# Altium PCB GT502W_V4_GPS_GT101.PcbDoc (part 1 of 2)
Units mil, origin at the board's own origin, x right, y up, seen from the top; angles counter-clockwise.
Board outline 1788.44 x 2361.43 mil, 4 copper layers (L1, L2, L3, L4), stack 28.912 mil thick; 156 components, 101 nets, 521 pads, 511 vias.
Unrouted connection lines stored in the file: 4.
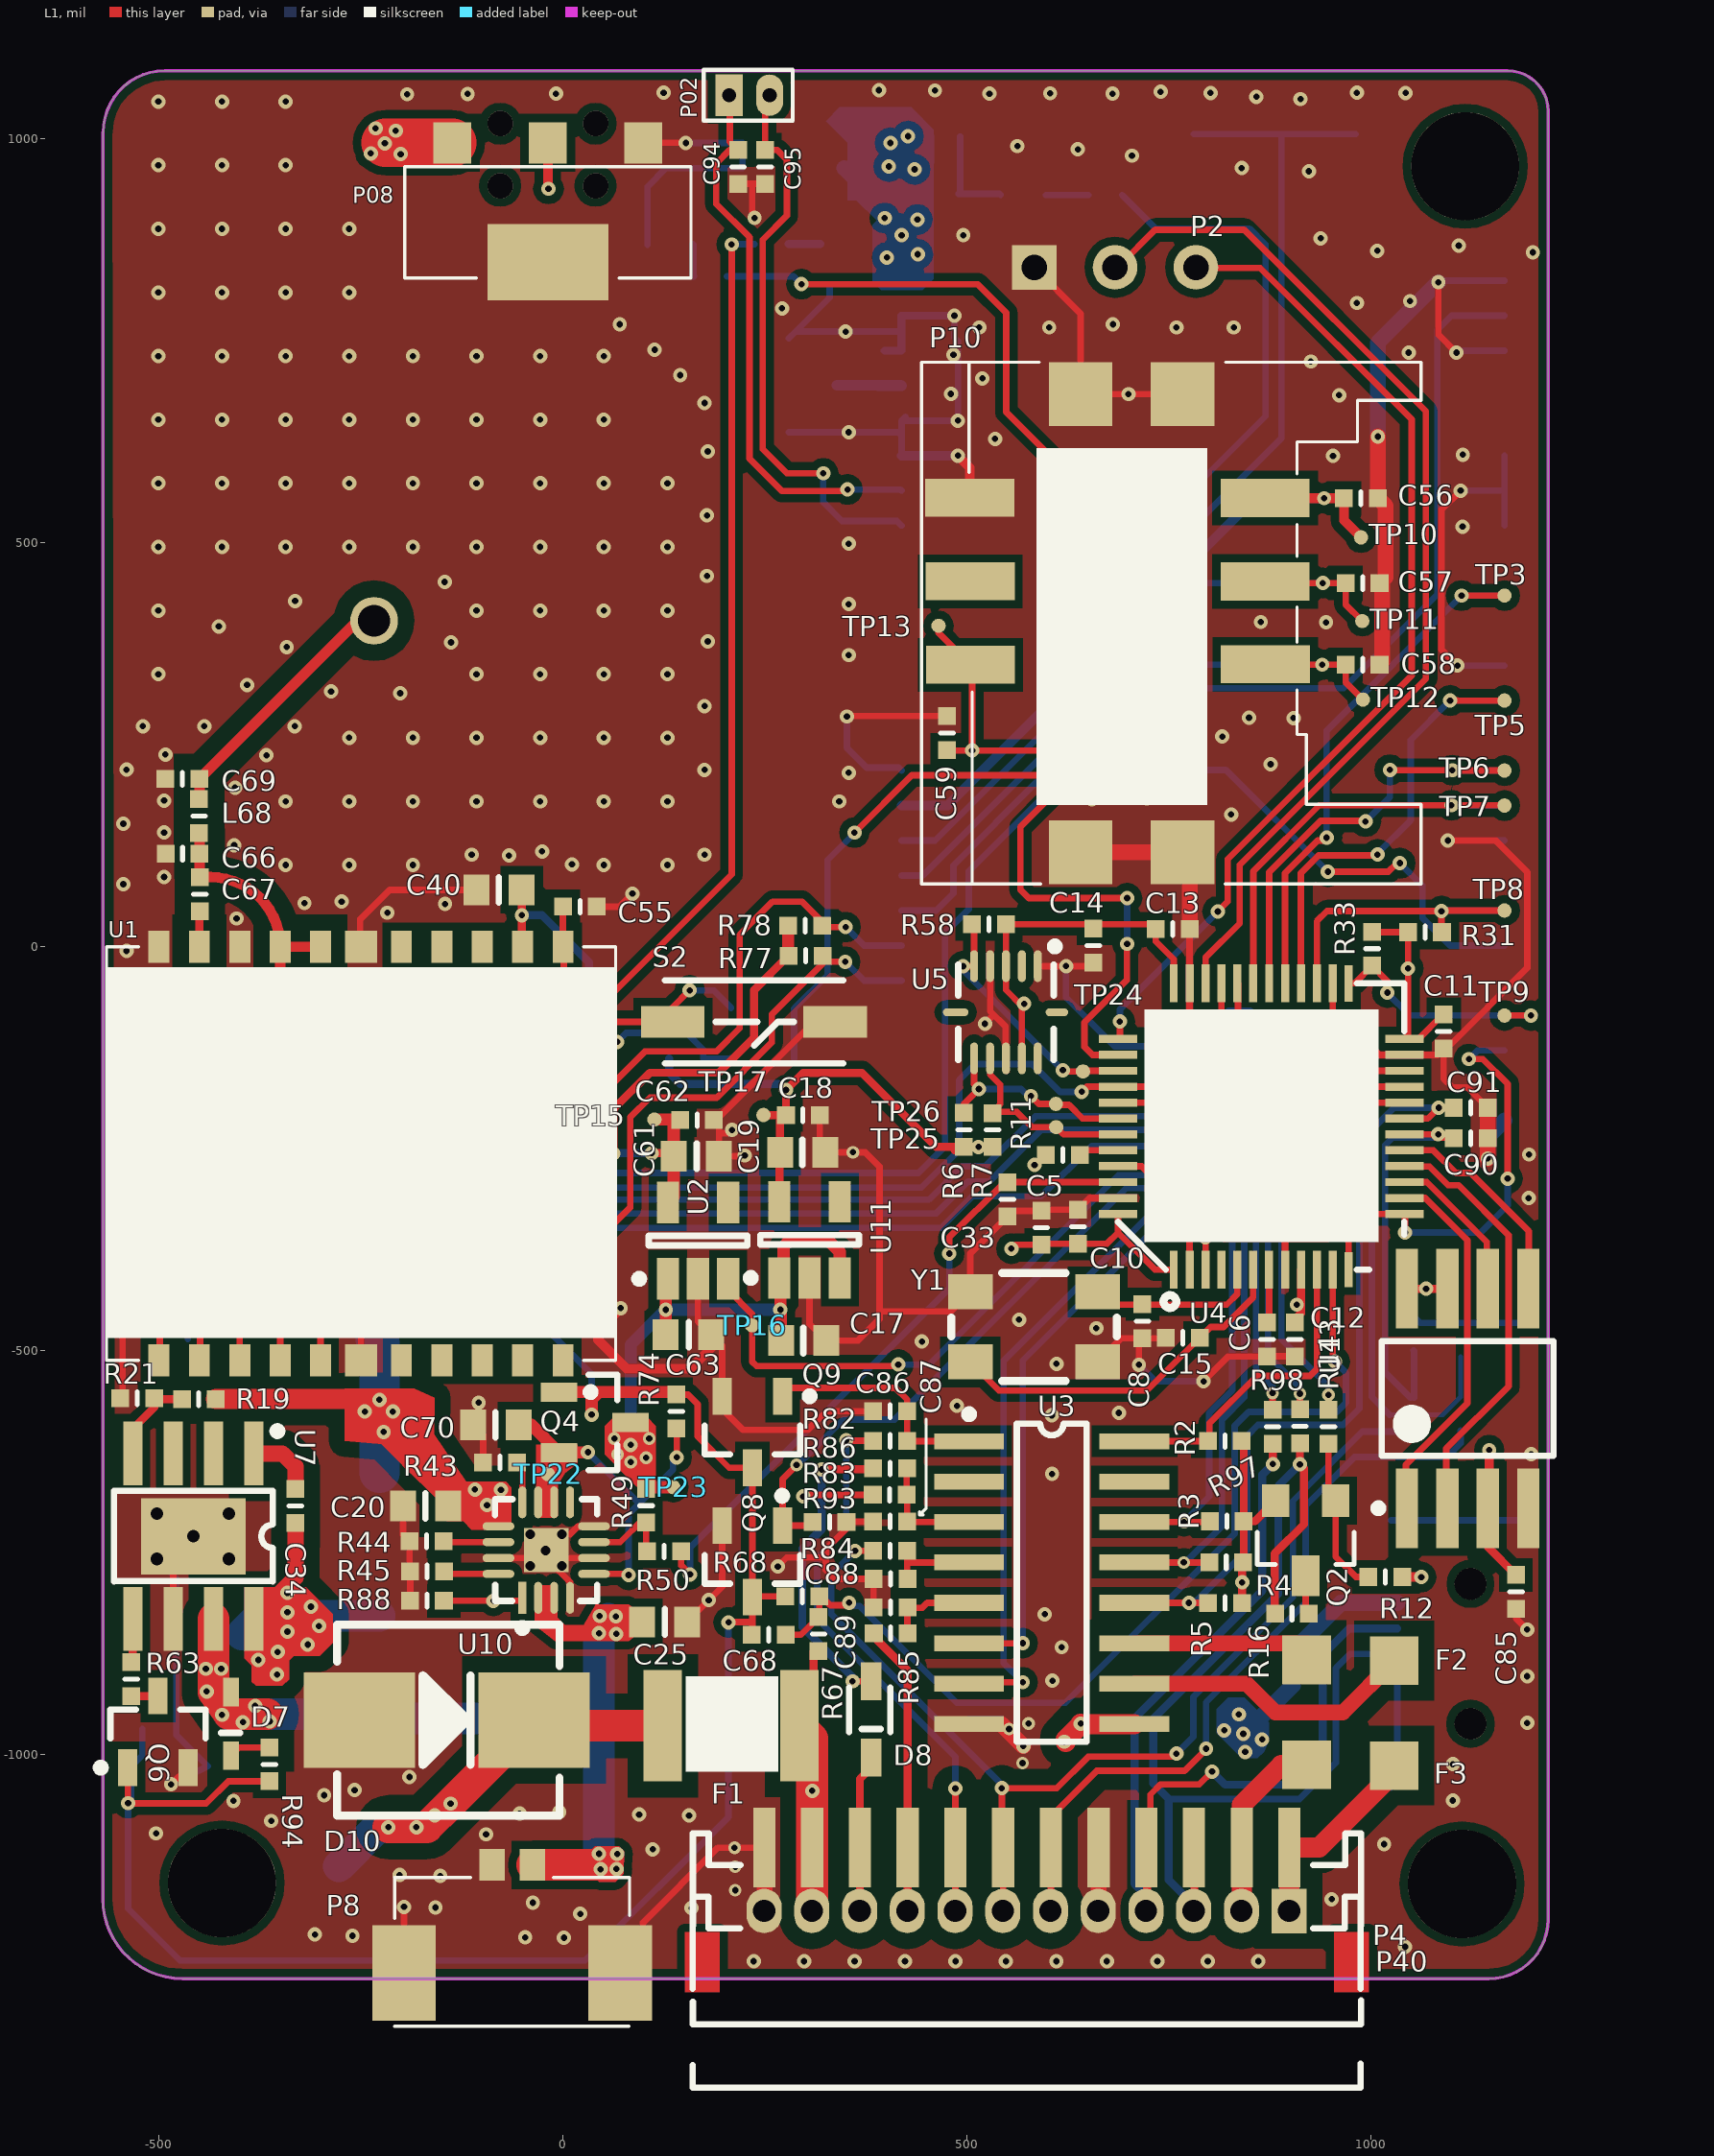
[diagram p0: L1 view]
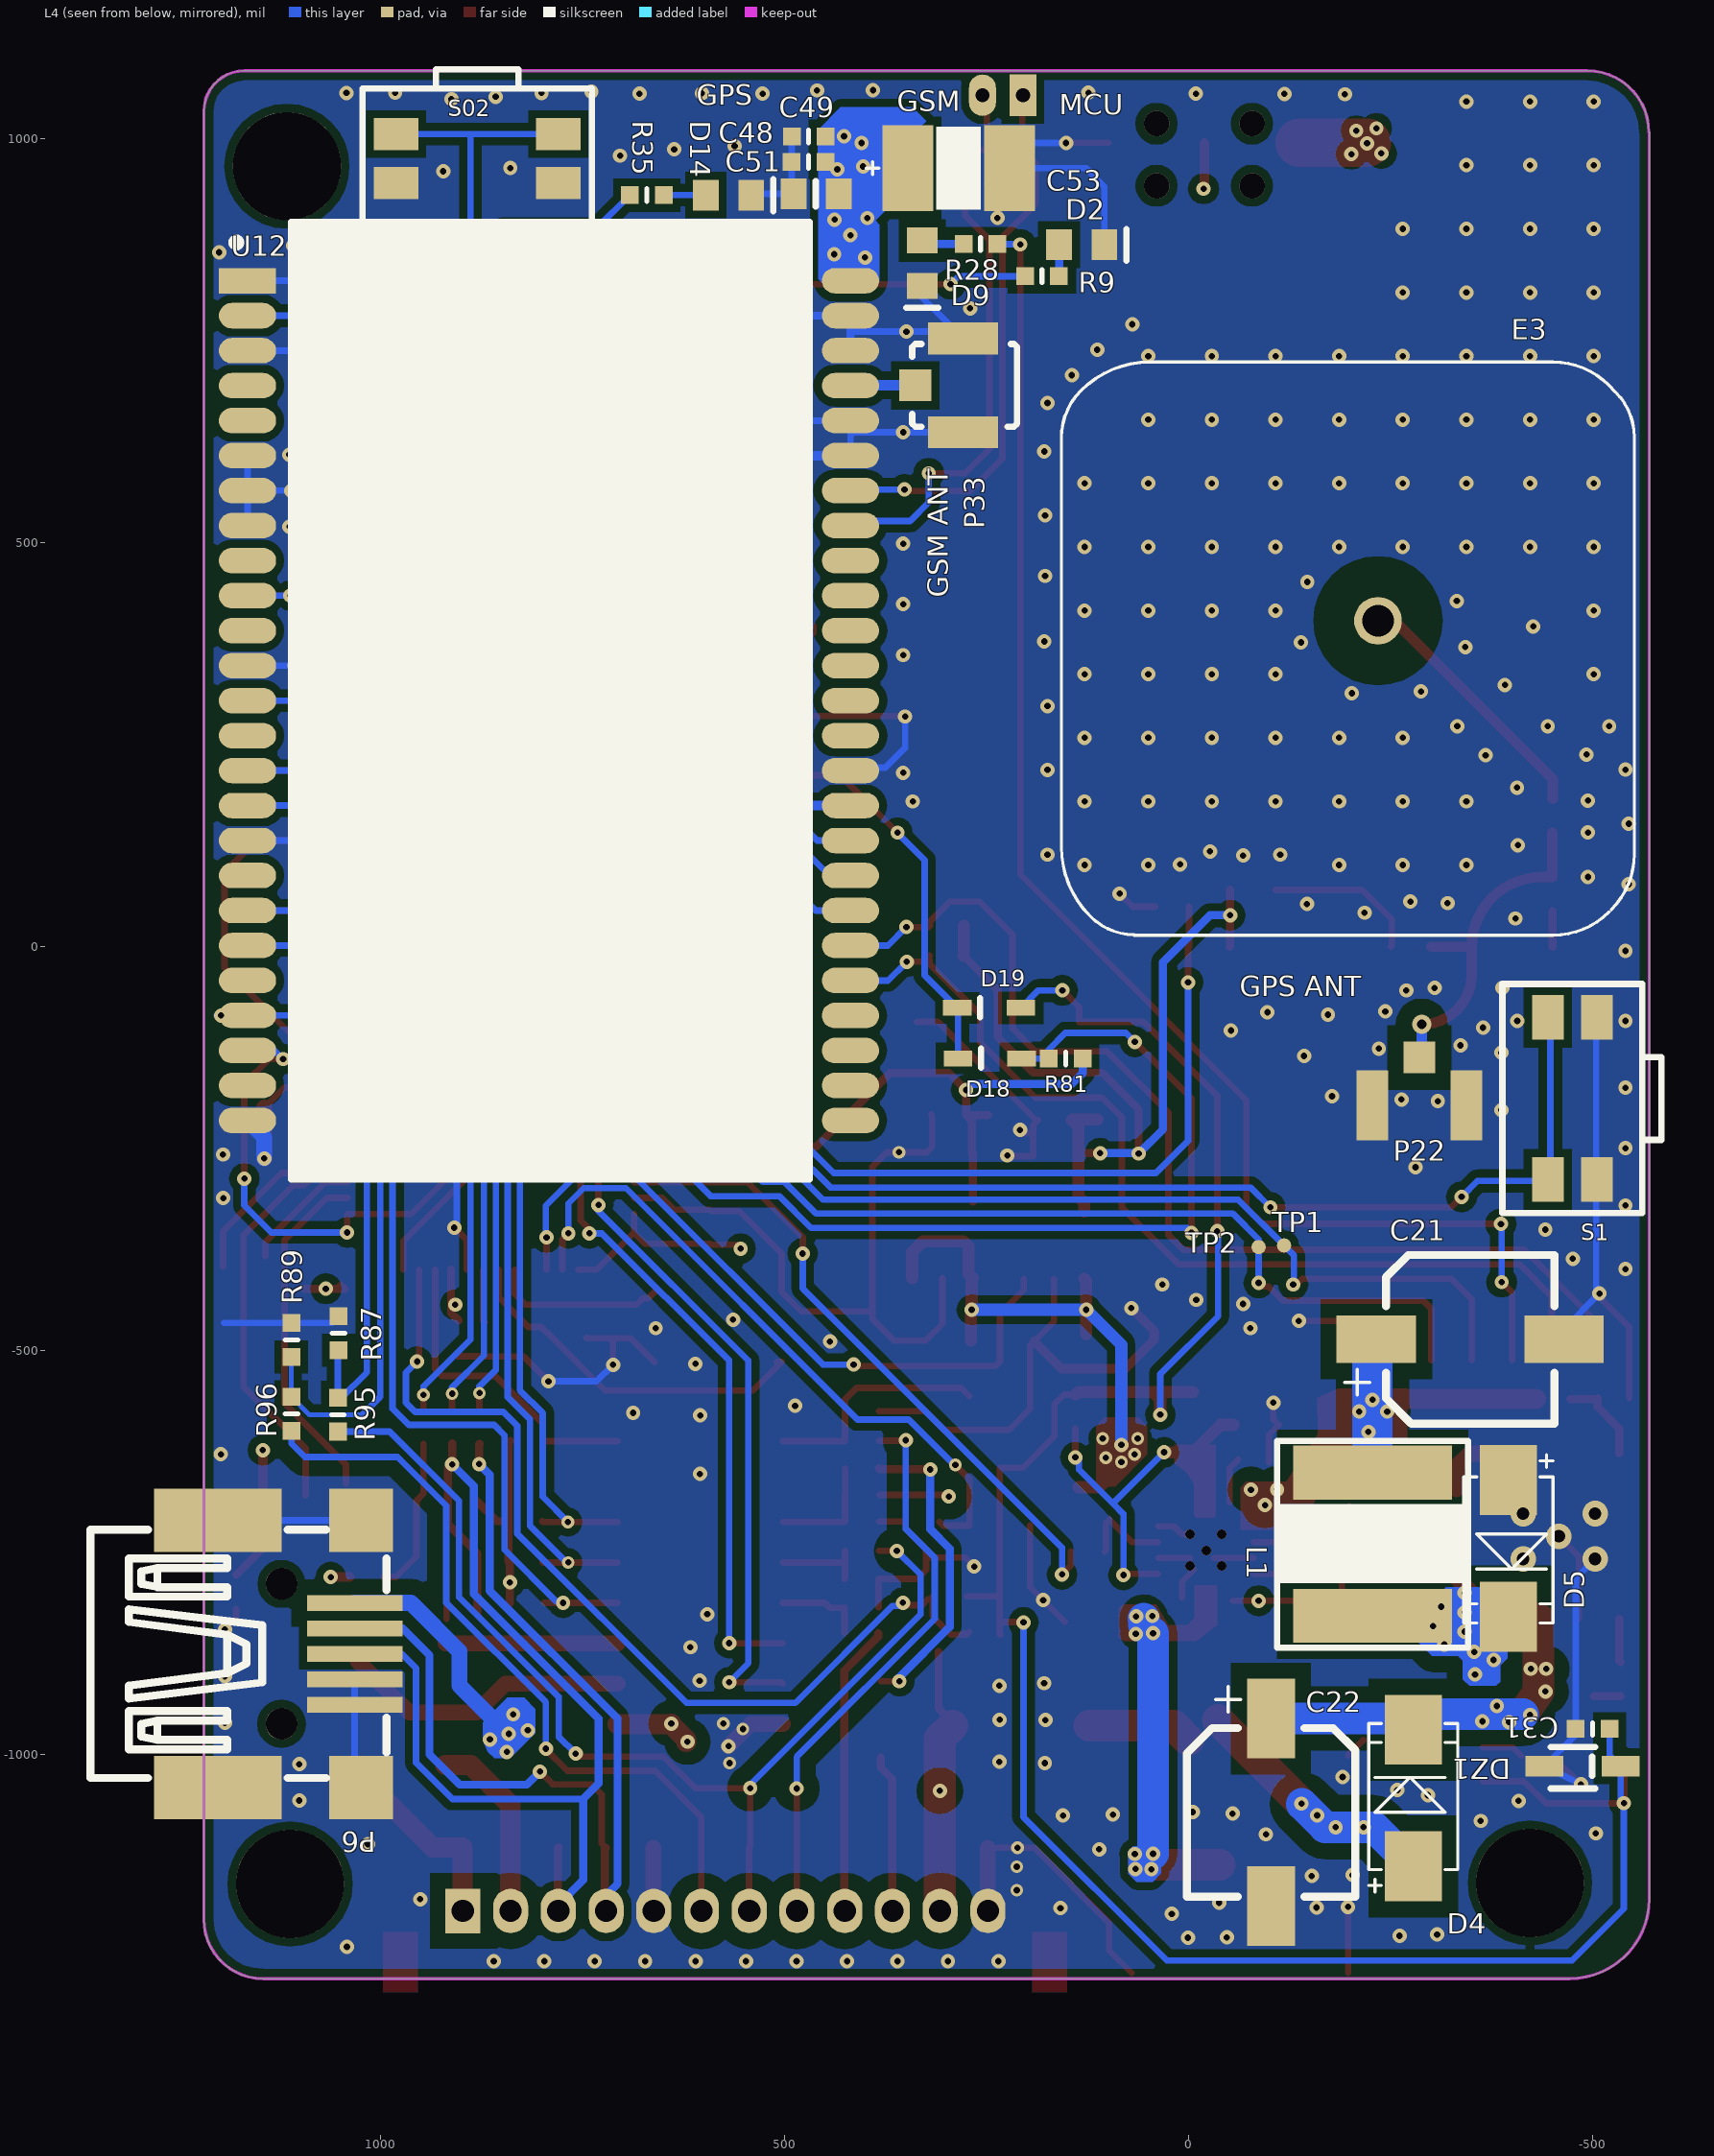
[diagram p1: L4 view, seen from below]
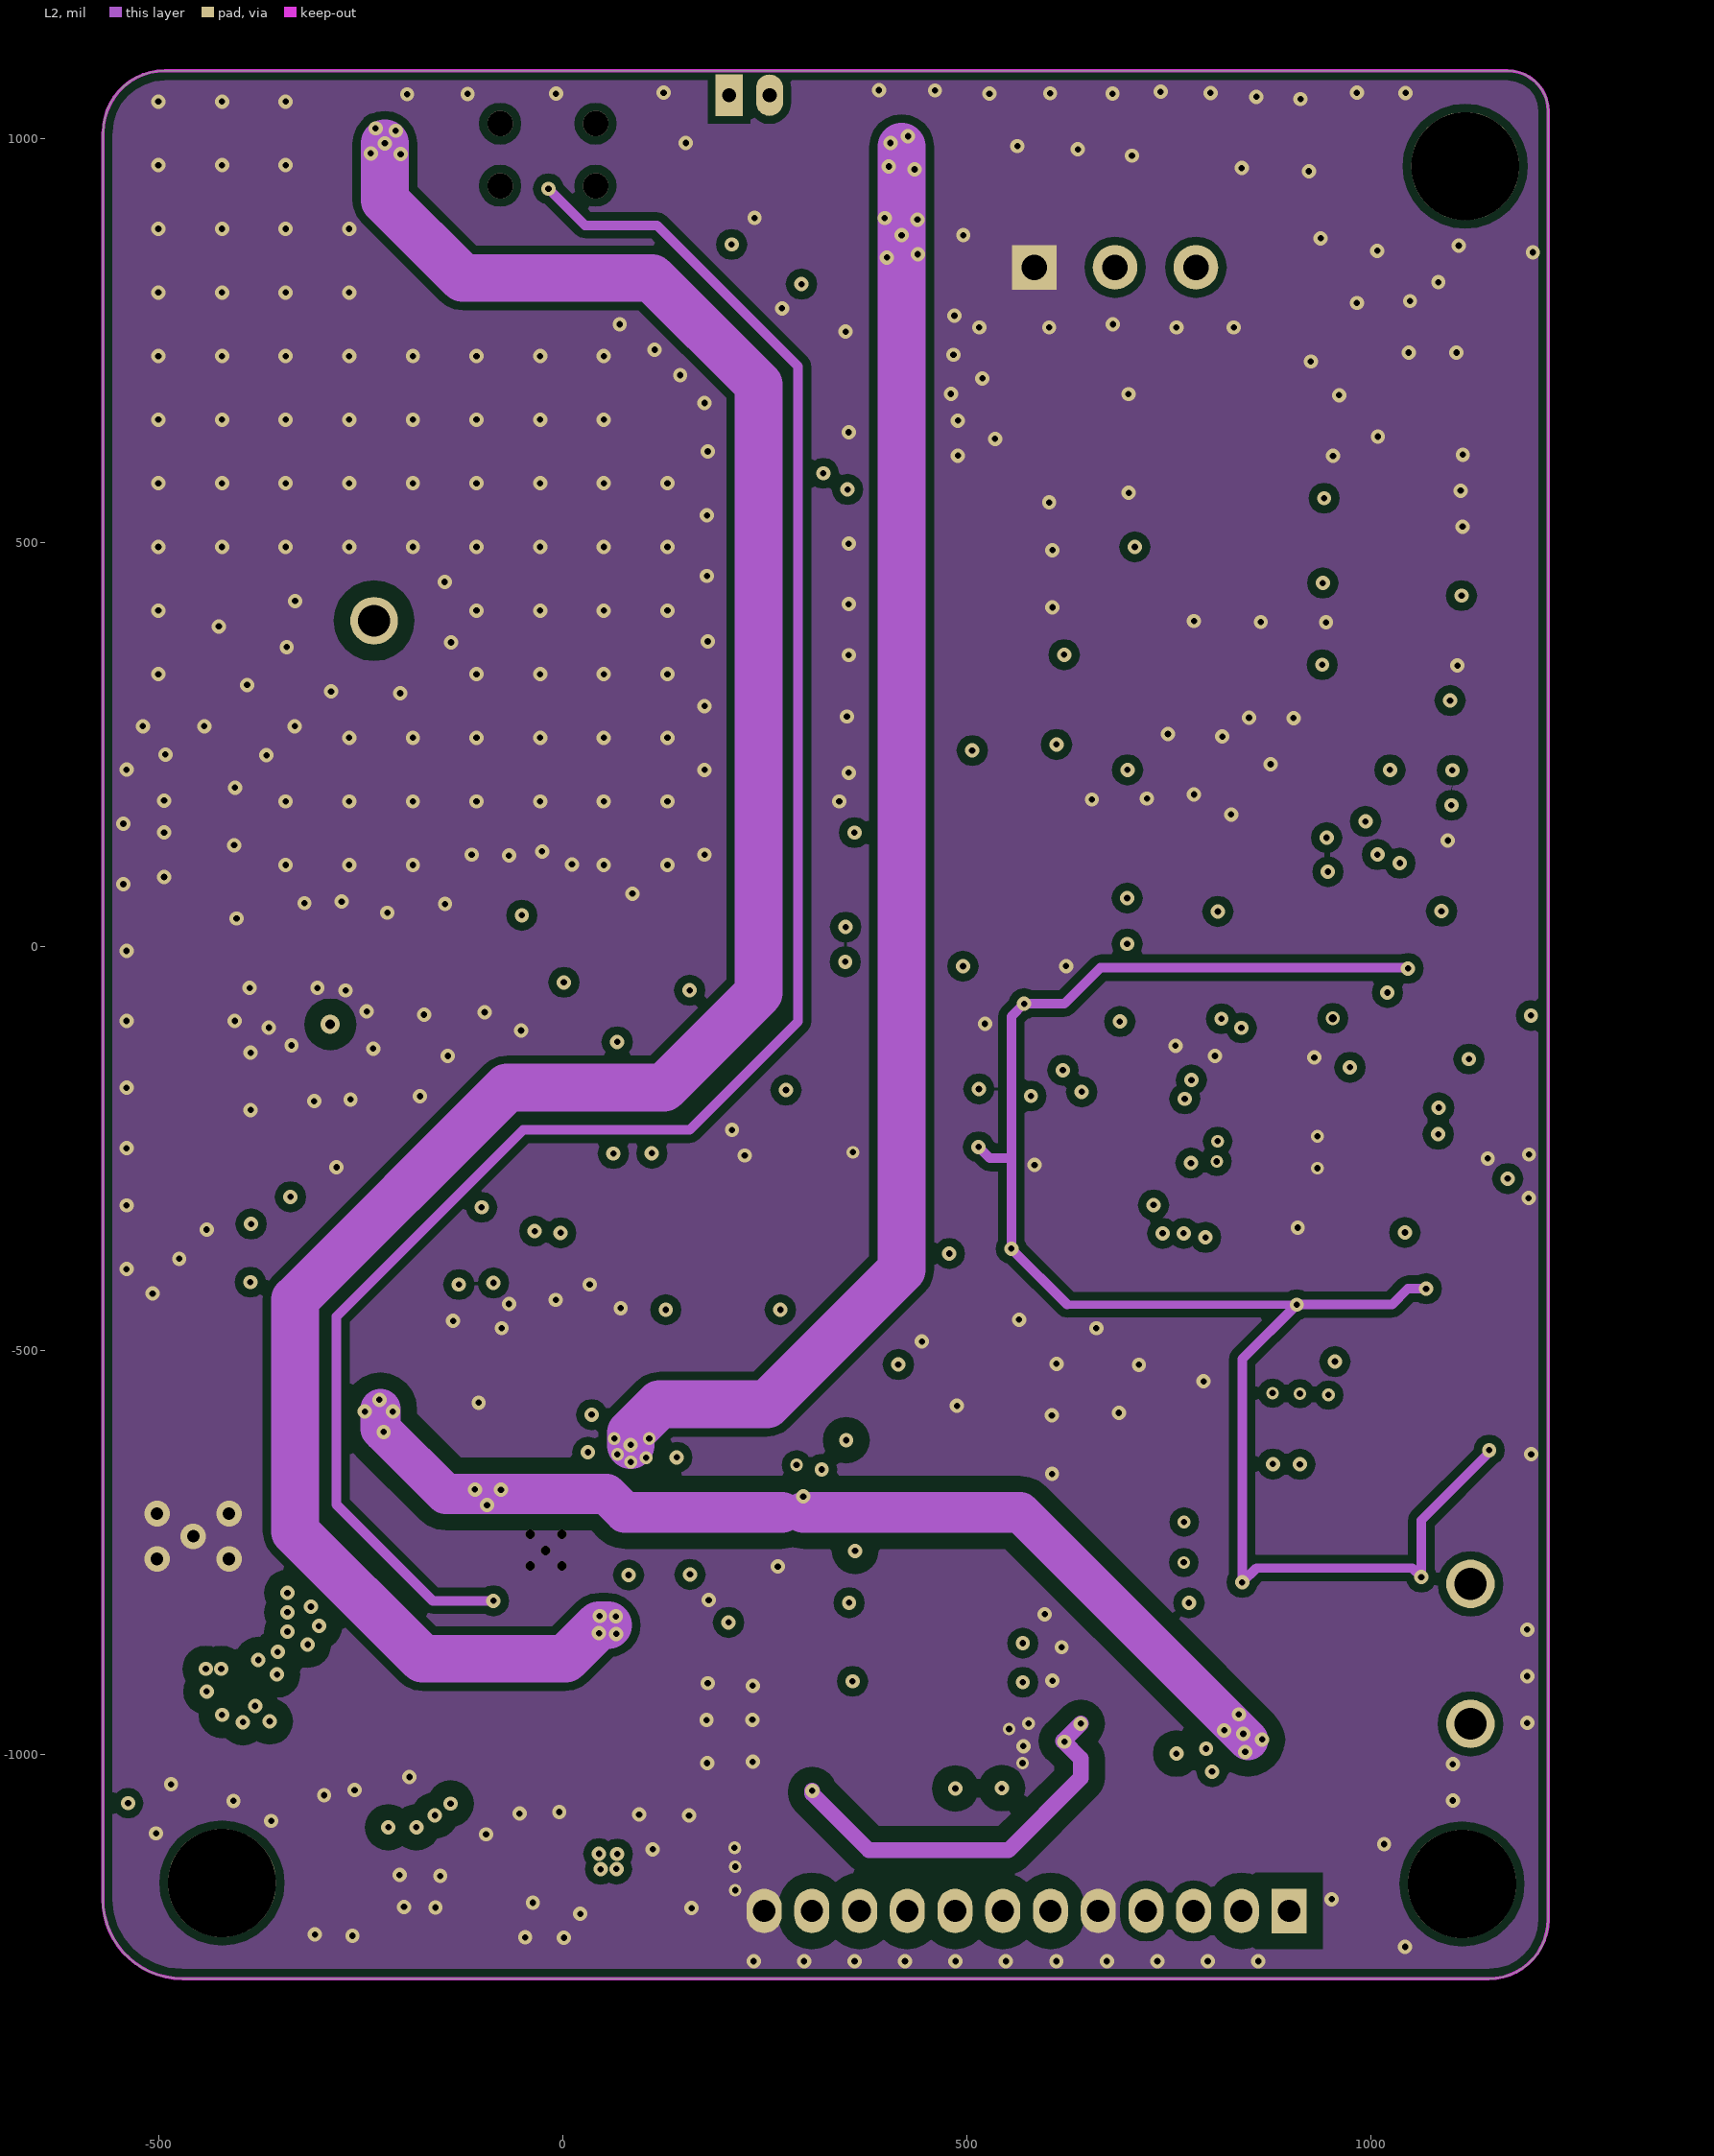
[diagram p2: L2]
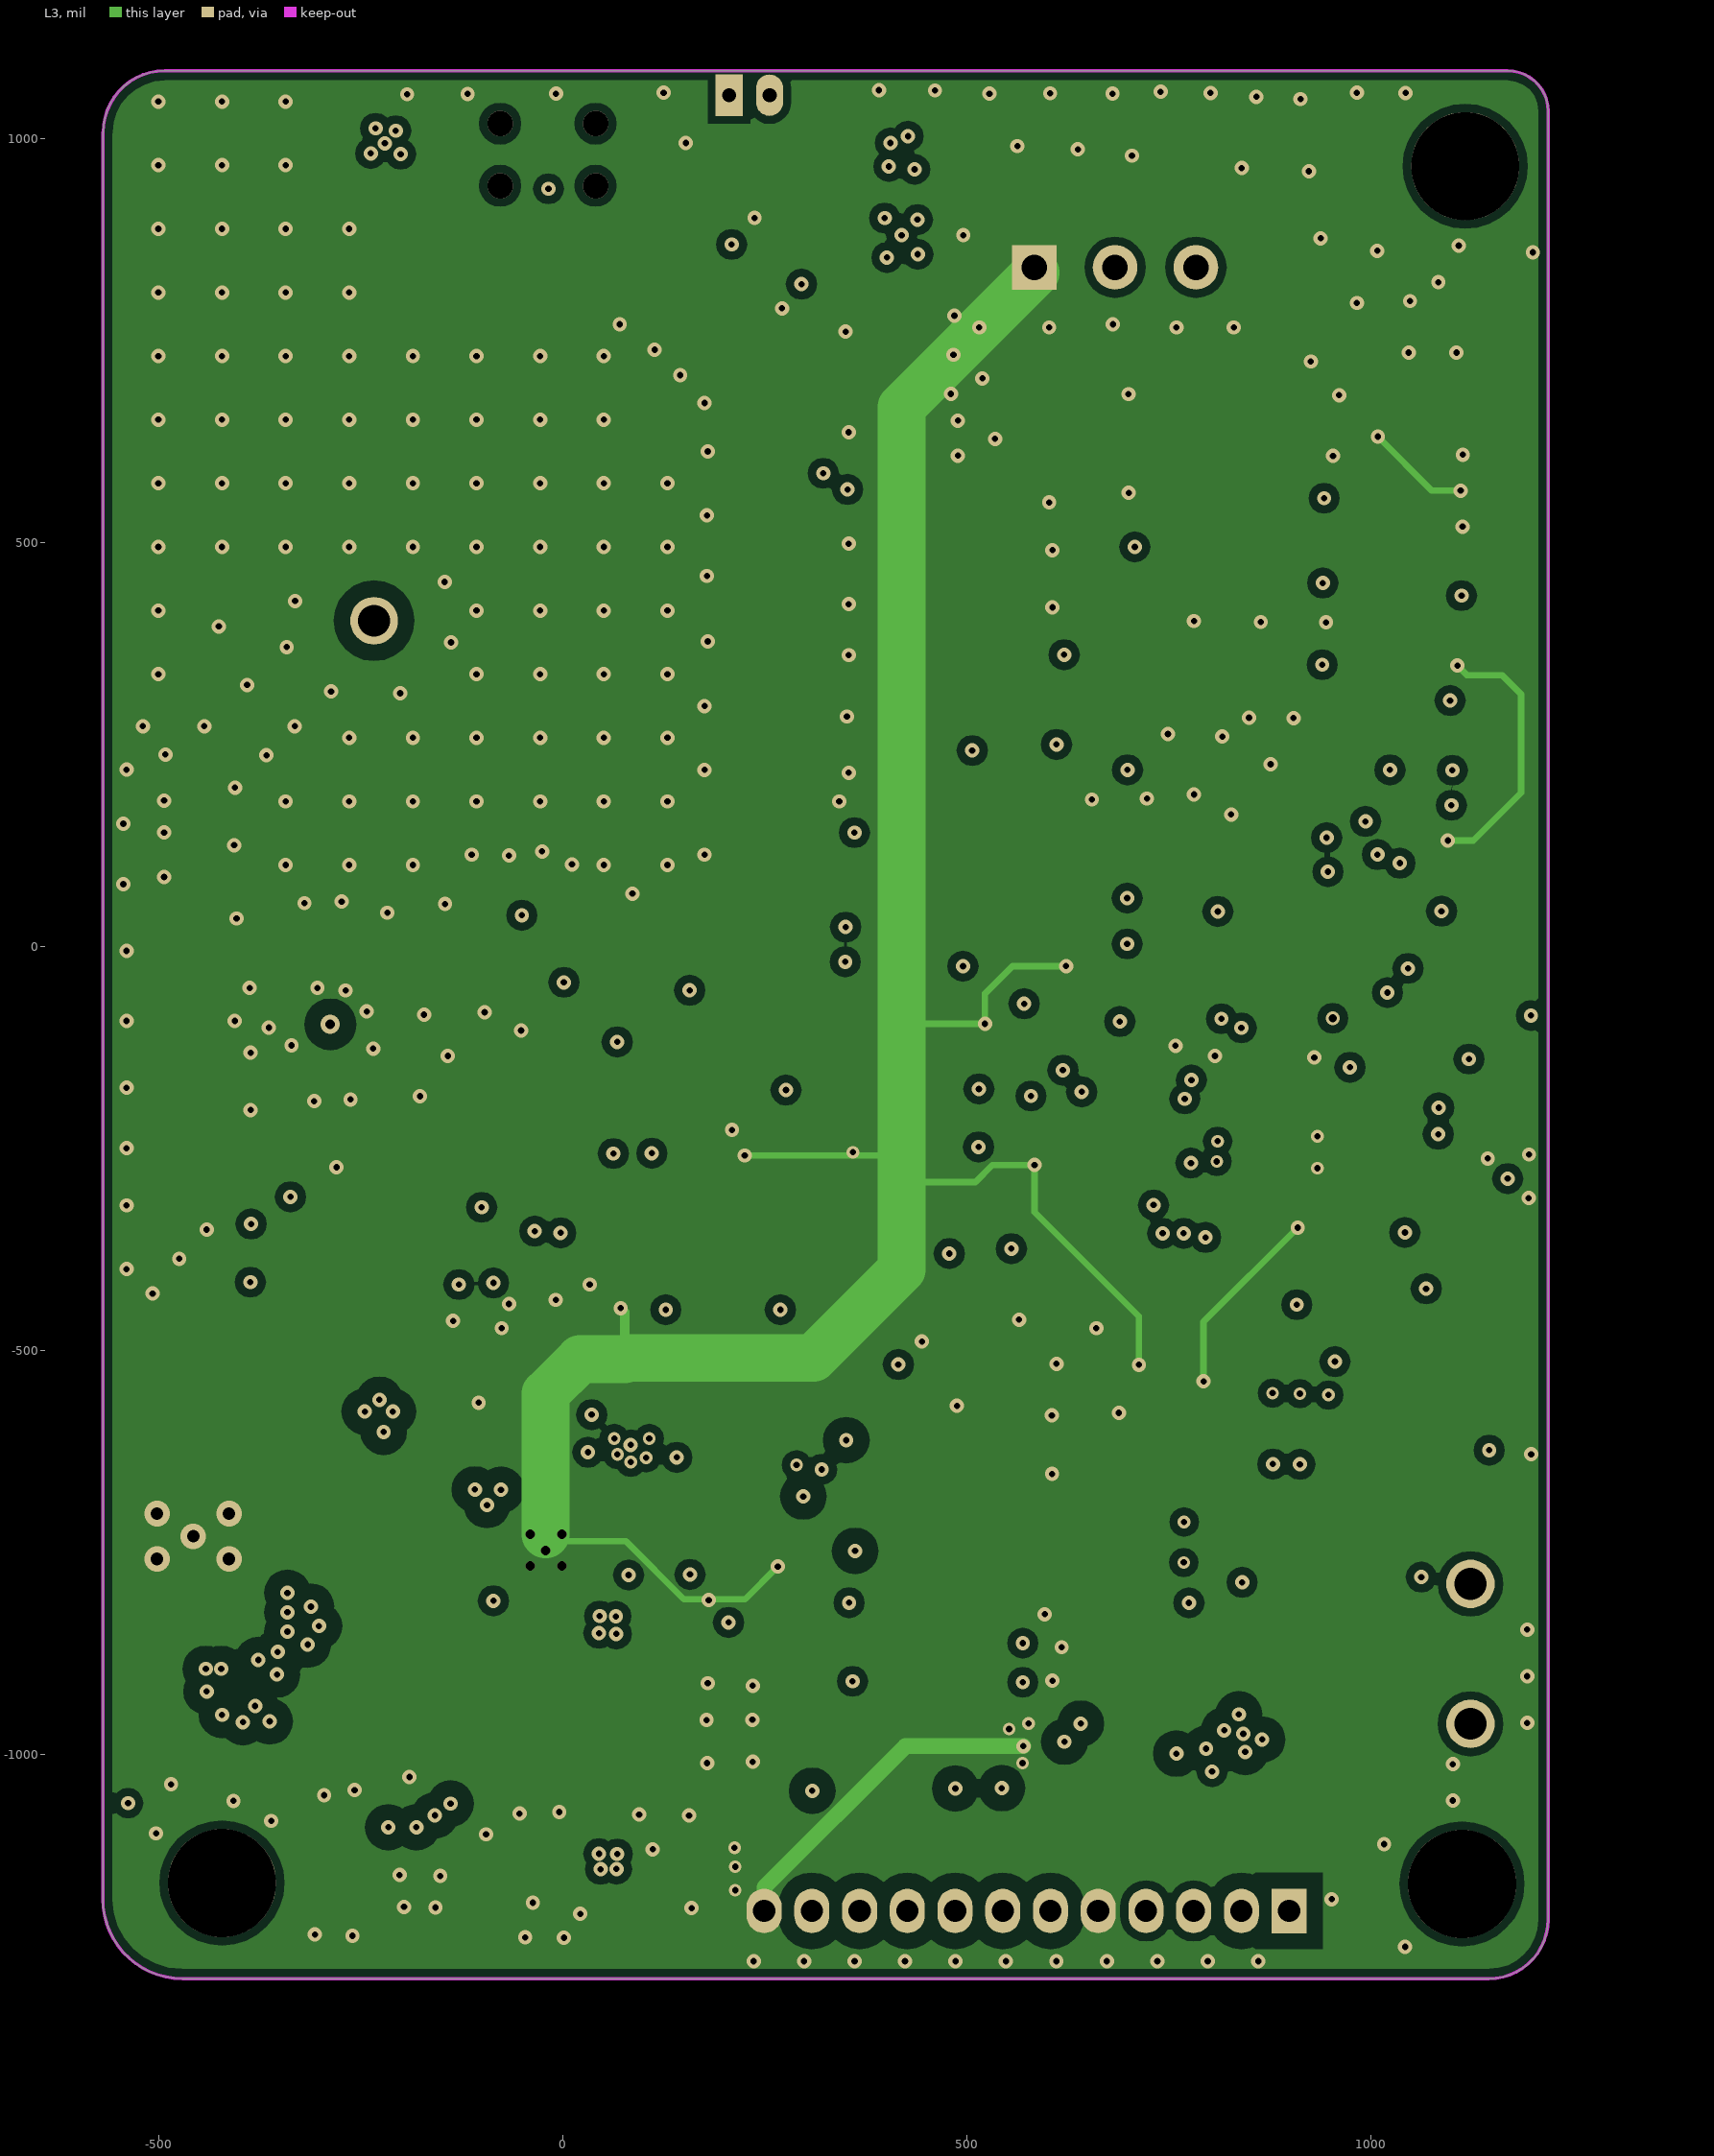
[diagram p3: L3]
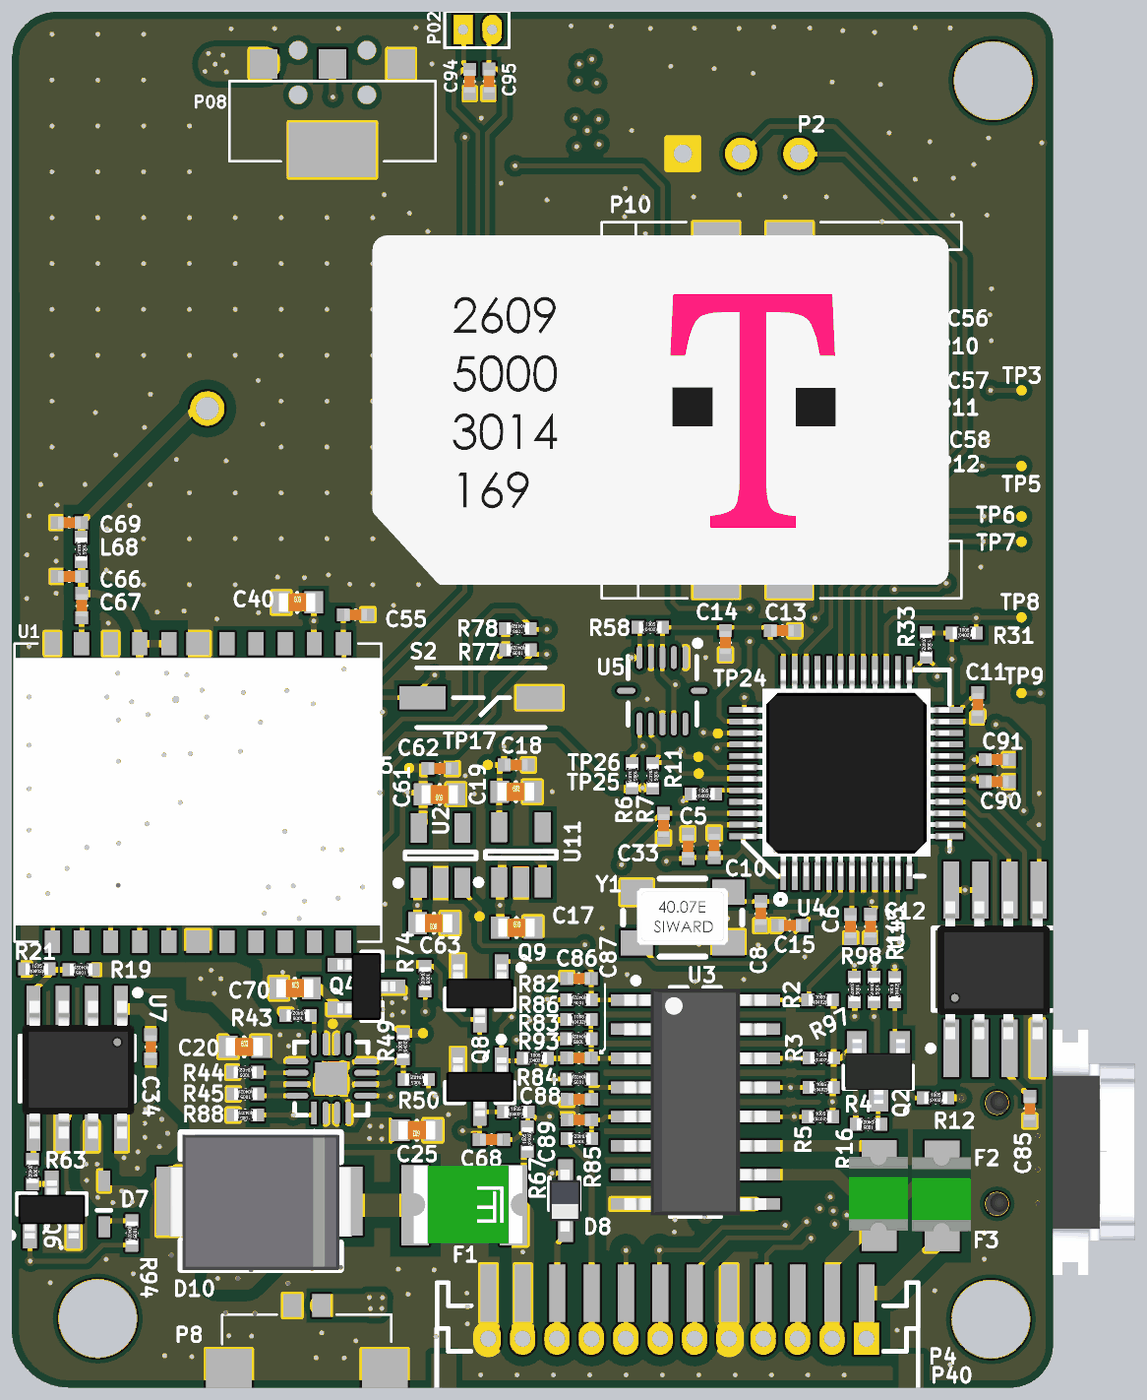
[diagram p5: 3D render of the assembled board from above, using the file's embedded part models]